# Altium PCB REB215_XPRO_Extension.PcbDoc (part 2 of 5)
Units mil, origin at the board's own origin, x right, y up, seen from the top; angles counter-clockwise.
Board outline 4055.74 x 2606 mil, 6 copper layers (Top Layer LF-signals, Signal Layer 1, Internal Plane 1, Mid-1, Mid-2, Bottom Layer LF-signals), stack 58.434 mil thick; 278 components, 292 nets, 1282 pads, 1177 vias.
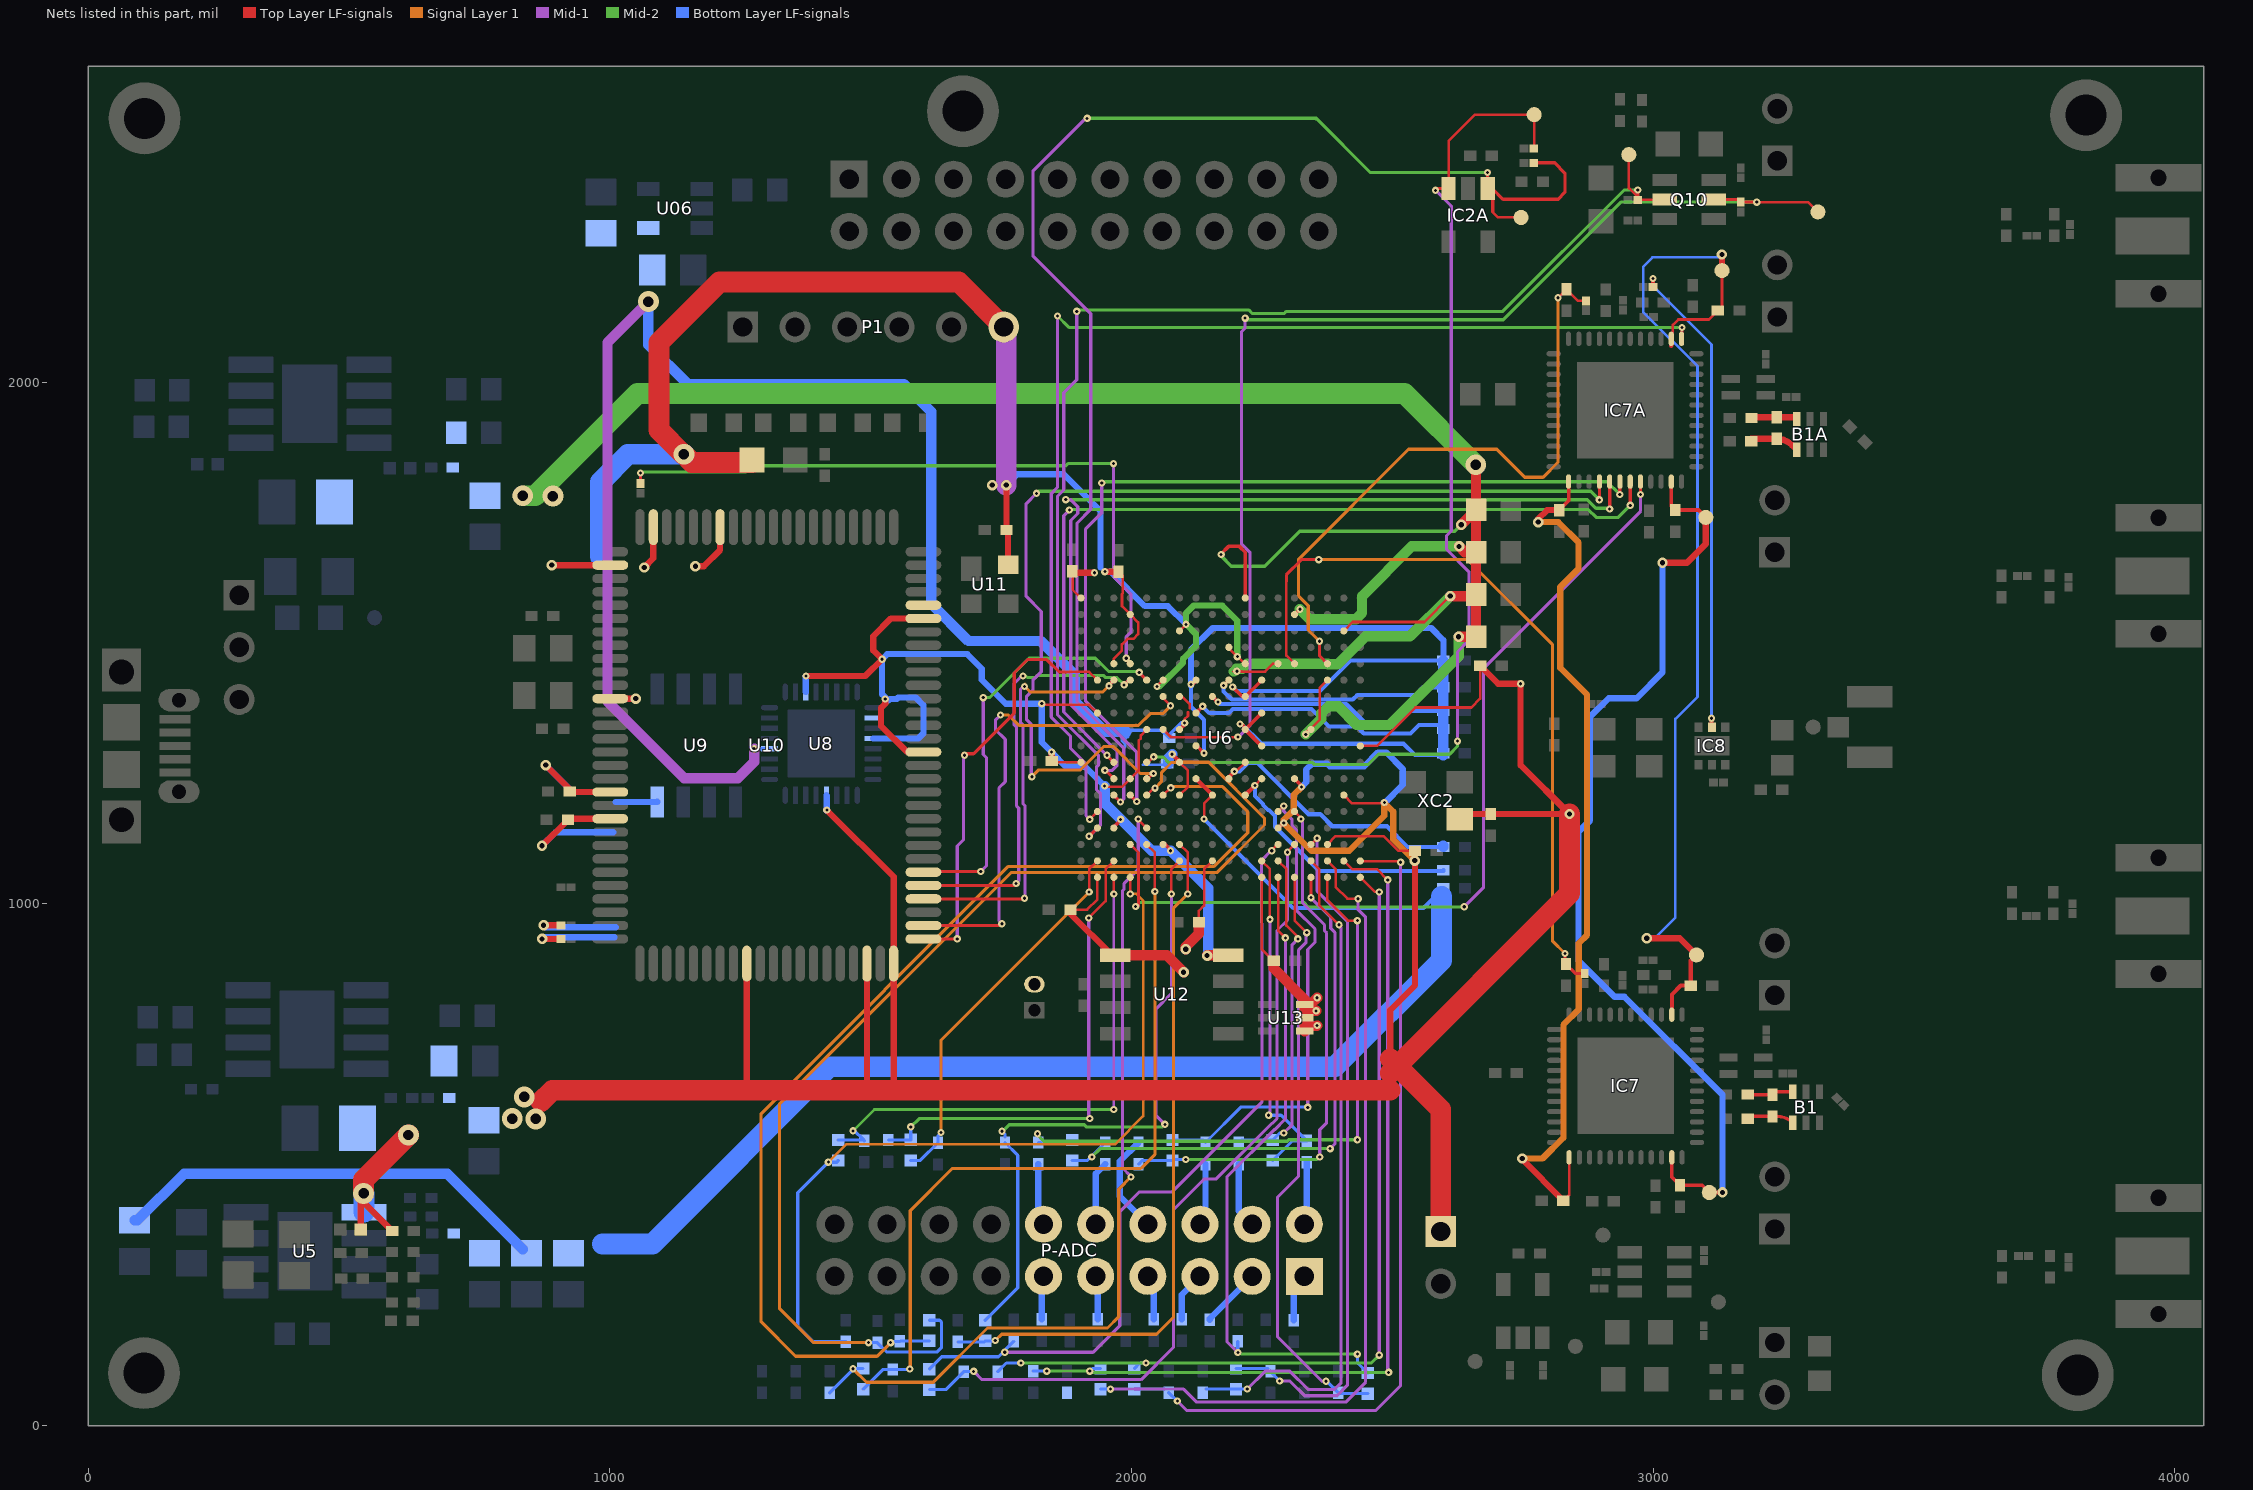
[diagram p6: the nets of this part, all layers, seen from the top]

## Via types
v1: diameter 20, hole 10, Top Layer LF-signals to Bottom Layer LF-signals, 660 vias
v2: diameter 14, hole 6, Top Layer LF-signals to Bottom Layer LF-signals, 470 vias
v3: diameter 40, hole 20, Top Layer LF-signals to Bottom Layer LF-signals, 46 vias
v4: diameter 12, hole 6, Top Layer LF-signals to Bottom Layer LF-signals, 1 vias

## Nets (pads, with @x,y where several pads share a name; then routed paths per layer and width w, separated by ;. In a path a pad name is that pad's centre, name@x,y a point inside that pad or via, vN(x,y) a via of type N, cw(c..) or ccw(c..) an arc to the next point about the centre after c; other vN are vias at no path point)
1V0: C43.1 C44.1 C45.1 C55.1 C56.1 C57.1 C58.1 C59.1 C60.1 C61.1 C62.1 L7.2 R24.1 U6.F8 U6.F10 U6.G7 U6.G9 U6.G11 U6.H8 U6.J7 U6.J11 U6.K8 U6.L7 U6.L11 U6.M8 U6.M10 U6.N7 U6.N9 U6.N11 | length 7937
  Top Layer LF-signals w5: v2@2114,1418 v2@2114,1419.33 ; U6.J11@2123.67,1303.02 2124.98,1303.02 U6.J11@2127.23,1303.02 ; v2(2139,1163) 2139.42,1163.42 2139.42,1192.79 U6.F10@2155.17,1208.54 ; v2(2139,1289) v2@2139,1291.26 ; U6.M10@2155.17,1395.33 U6.M10@2155.17,1397.51 ; v2(2176.66,1419) U6.N9@2186.67,1429.01 ; v2(2197.23,1254.1) 2200.73,1254.1 U6.H8@2218.16,1271.53 ; U6.K8@2213.97,1334.52 U6.K8@2218.16,1334.52 ; v2(2236.63,1227) U6.G7@2249.66,1240.03
  Top Layer LF-signals w7: v2@2114,1418 2123.67,1427.67 U6.N11@2123.67,1429.01 ; U6.L11@2123.67,1366.02 v2(2136.49,1378.83) ; U6.J11@2124.98,1303.02 v2(2139,1289) ; U6.M10@2155.17,1397.51 2166,1386.68 v2(2166,1387) ; v2(2194,1416) 2212.49,1397.51 U6.M8@2218.16,1397.51 U6.N7@2249.66,1429.01 ; v2(2208,1345) 2211,1345 2218.16,1337.84 U6.K8@2218.16,1334.52 U6.L7@2249.66,1366.02
  Top Layer LF-signals w8: U6.G11@2123.67,1240.03 U6.F10@2155.17,1208.54 ; U6.G9@2186.67,1240.03 2186.67,1243.53 v2(2197.23,1254.1) ; U6.F8@2218.16,1208.54 v2(2236.63,1227) ; U6.K8@2218.16,1334.52 U6.J7@2249.66,1303.02
  Bottom Layer LF-signals w8: v2@2114,1418 2114,1378 2139,1353 v2(2139,1289) ; v2(2136.49,1378.83) 2148.99,1366.33 2186.67,1366.33 2194.34,1374 2345,1374 2379,1340 2432,1340 2445.38,1326.62 2534.9,1326.62 2551.19,1342.91 2590.34,1342.91 C59.1@2598,1335.24 ; v2(2139,1163) 2310,992 2560,992 C57.1@2598,1030 ; v2(2166,1387) 2166,1386.68 2169.51,1383.17 2411.83,1383.17 2452.09,1342.91 2503.91,1342.91 2530.87,1369.87 C58.1@2598,1369.87 ; v2(2176.66,1419) 2176.66,1407.52 2192.18,1392 2424.25,1392 2432.99,1400.74 2544.74,1400.74 2559.42,1415.42 C55.1@2598,1415.42 ; v2(2194,1416) 2202,1408 2361.59,1408 2420.19,1466.6 C56.1@2598,1466.6 ; v2(2197.23,1254.1) 2207.19,1254.1 2223,1269.91 2241.51,1269.91 2339.51,1171.91 2362,1171.91 2384.91,1149 2489.65,1149 2529.49,1109.15 C62.1@2598,1109.15 ; v2(2208,1345) 2211,1345 2249,1307 2521.81,1307 2543.4,1285.41 C61.1@2598,1285.41 ; v2(2236.63,1227) 2236.63,1206.78 2252.09,1191.31 2252.09,1190 2262,1180.1 2263.31,1180.1 2275.09,1168.31 2275.09,1148 2360,1063.1 2598,1063.1 C60.1@2598,1064.74
  Bottom Layer LF-signals w12: v2@2114,1418 v2(2114,1421) 2114,1487.33 2155.67,1529 2574.51,1529 2598,1505.51 C56.1@2598,1466.6
  Bottom Layer LF-signals w20: L7.2@89,393.37 94.34,393.37 183.97,483 688.37,483 C45.1@833.37,338 ; C62.1@2598,1109.15 C62.1@2598,1111.96 ; C61.1@2598,1285.41 C59.1@2598,1335.24 C58.1@2598,1369.87 C55.1@2598,1415.42 C56.1@2598,1466.6
  Bottom Layer LF-signals w40: 986,348 1081.57,348 1421.57,688 2390.51,688 2594,891.49 2594,1014
1V8: C48.1 C53.1 C54.1 L8.2 U06.4 U6.F12 U6.H12 U6.K12 U6.M12 U8.20 | length 3180.8
  Top Layer LF-signals w5: U6.F12@2092.18,1208.54 2107.93,1224.28 2107.93,1255.78 U6.H12@2092.18,1271.53 ; U6.M12@2092.18,1397.51 2097.28,1397.51 2111.41,1383.38 2111.41,1375.38 ; v2(2102,1347) 2102,1354.21 2108.38,1360.59 2108.38,1367.59
  Top Layer LF-signals w8: v2(2078,1287) 2092.18,1272.82 U6.H12@2092.18,1271.53 ; U6.K12@2092.18,1334.52 2102,1344.34 v2(2102,1347)
  Mid-1 w20: v3(1074,2154.53) 995.51,2076.04 995.51,1388.22 1142.57,1241.16 1245.34,1241.16 1276.67,1272.49 v2(1276.67,1297.46)
  Bottom Layer LF-signals w5: 1981.71,1319 1981.71,1312.49 1987.87,1306.33 ; 2022.2,1266.6 2068.66,1266.6 C53.1@2068.66,1269
  Bottom Layer LF-signals w6: v2(1276.67,1297.46) U8.20@1306.35,1297.46 ; 1987.87,1300.92 1987.87,1317.3 1992.99,1322.42 ; 1992.99,1319.93 1992.99,1322.42 ; 1996.05,1325.48 1992.99,1322.42 ; C53.1@2068.66,1266.1 C53.1@2068.66,1266.6 ; C54.1@2072.23,1318 2057.32,1332.91 1992.99,1332.91 1992.99,1322.42
  Bottom Layer LF-signals w7: C54.1@2072.46,1324.16 2095.3,1347 v2(2102,1347)
  Bottom Layer LF-signals w20: v3(1074,2154.53) 1074,2071.79 1149.08,1996.71 1563.07,1996.71 1616.09,1943.7 1616.09,1575.52 1687.58,1504.03 1826.41,1504.03 1890.92,1439.52 1890.92,1388.8 1949.45,1330.27 1989.78,1330.27 ; C53.1@2070.66,1269 2070.66,1279.66 v2(2078,1287)
2V5: C34.1 C35.1 C79.1 C80.1 C81.1 C82.1 L5.2 R18.2 U6.K4 U6.N3 U6.P6 U6.T2 U6.U5 U6.V8 | length 4925.4
  Top Layer LF-signals w5: v2@2195.67,1445.52 2211.51,1445.52 2211.83,1445.21 2255.99,1445.21 2271.29,1460.5 U6.P6@2281.15,1460.5 ; U6.K4@2342.01,1334.52 2361.25,1353.76 2361.25,1414.62 U6.N3@2375.64,1429.01 ; U6.T2@2407.14,1523.5 2424.14,1540.5 2561.45,1540.5 v1(2611,1590.05) ; v1@2629.03,1729.97 v1(2632,1727) 2632,1727.1 C79.1@2660.54,1755.63
  Top Layer LF-signals w7: v2(2172,1670) 2172,1671.2 2186.21,1685.41 2207.01,1685.41 2218.16,1674.25 U6.V8@2218.16,1586.49 ; U6.U5@2312.65,1554.99 2322.66,1565 v2(2323,1565) ; v2@2333,1325 v2(2334,1325) 2334,1326.51 2342.01,1334.52 U6.K4@2344.15,1334.52
  Top Layer LF-signals w20: v1(2611,1590.05) 2657.37,1590.05 C82.1@2660.54,1593.21 ; v1(2627,1512) C80.1@2660.54,1512 ; v1(2628,1685.45) 2639.03,1674.42 C81.1@2660.54,1674.42 ; v1(2632,1727) C79.1@2660.54,1755.54 ; C80.1@2658.54,1510 C80.1@2660.54,1512 ; v3(2660,1842) 2660,1846.93 2660.54,1847.47 C79.1@2660.54,1755.63 C79.1@2660.54,1755.54 ; C80.1@2660.54,1512 C82.1@2660.54,1593.21 ; C82.1@2660.54,1593.21 C81.1@2660.54,1674.42 ; C81.1@2660.54,1674.42 C79.1@2660.54,1755.54
  Mid-2 w7: v2(2172,1670) 2172,1666.8 2191.32,1647.48 2255.48,1647.48 2322.66,1714.66 2619.66,1714.66 v1(2632,1727) ; 2492,1340 2495,1343
  Mid-2 w20: v2@2195.67,1445.52 2201.24,1451.1 2212.49,1451.1 2221.9,1460.5 2376.03,1460.5 2377.39,1459.14 2395.62,1459.14 2449.48,1513 2533.95,1513 v1(2611,1590.05) ; v2(2323,1565) 2342,1546 2429.64,1546 2442,1558.36 2442,1577.23 2441.88,1577.35 2441.88,1589.77 2442,1589.89 2442,1590 2537.45,1685.45 v1(2628,1685.45) ; v2(2334,1325) 2334.11,1325 2364.16,1355.05 2364.16,1365.27 2377.89,1379 2396.11,1379 2432.11,1343 2495,1343 2627,1475 v1(2627,1512)
  Mid-2 w40: v3(833,1782.37) 856.37,1782.37 1052.85,1978.85 2523.15,1978.85 v3(2660,1842)
  other v2: 2202,1446
  other v3: 891,1781.78
3V3: C29.1 C30.1 C65.1 C66.1 C67.1 C68.1 C69.1 C70.1 C71.1 C72.1 C73.1 C74.1 C75.1 C76.1 D2A1.1 JP.1 L4.2 P1.6 P4.2 R001.2 R002.2 R015.2 R26.1 R27.1 U5.5 U6.A7 U6.A17 U6.B10 U6.C3 U6.C13 U6.D6 U6.D16 U6.F2 U6.G5 U6.G15 U6.H18 U6.J1 U6.K14 U6.L17 U6.N13 U6.P8 U6.P16 U6.R9 U6.T12 U6.U15 U6.V18 U8.4 U8.12 U8.27 U9.8 U10.2 U10.12 U10.19 U10.21 U10.39 U10.48 U10.50 U10.65 U10.75 U10.94 U10.99 U11.4 U12.1 U12.8 U13.4 U13.5 U13.6 XC2.4 | length 14448.6
  Top Layer LF-signals w5: v2@1826,1379.83 1827.93,1381.76 1918.95,1381.76 U6.L17@1934.7,1366.02 ; v2@1847,1291.58 v2(1847,1291) 1847.34,1290.66 1847.42,1290.58 1847.42,1274.08 C73.1@1847.34,1274 ; C73.1@1849.81,1271.53 U6.H18@1903.2,1271.53 ; C72.1@1883,989 1915,989 1934.7,1008.7 U6.A17@1934.7,1051.06 ; C74.1@1887.45,1636.94 1887.45,1602.24 U6.V18@1903.2,1586.49 ; v2(1948.59,1225.93) 1949.78,1224.74 1982.39,1224.74 U6.G15@1997.69,1240.03 2013.89,1256.23 2013.89,1312.89 2018,1317 2018,1323.33 U6.K14@2029.19,1334.52 ; U6.P16@1966.19,1460.5 1966.19,1470.37 1981.49,1485.66 1981.49,1497.43 1992.26,1508.2 2004.03,1508.2 2012.98,1517.16 2012.98,1539.7 U6.U15@1997.69,1554.99 1981.94,1570.74 1981.94,1594.16 1983.41,1595.62 1983.41,1628.26 C75.1@1975,1636.66 ; v2(2049,1417) 2049,1417.33 U6.N13@2060.68,1429.01 ; U6.T12@2092.18,1523.5 v2(2104.68,1536) ; C71.1@2129.34,965 2129.34,986.93 2139.42,997.01 2139.42,1066.8 U6.B10@2155.17,1082.55 ; v1(2145,901) v1@2145.45,901.45 ; U6.R9@2186.67,1492 2186.67,1490.08 2216.24,1460.5 U6.P8@2218.16,1460.5 ; U6.A7@2249.66,1051.06 2249.66,914 C68.1@2272.66,891 ; U6.C3@2375.64,1114.05 2391.39,1129.8 2483.56,1129.8 2511.26,1102.09 C76.1@2543.66,1102.09 ; U6.F2@2407.14,1208.54 2422.89,1192.79 2483.18,1192.79 v2(2484.72,1194.33) v2@2485,1194.61 ; U6.J1@2438.63,1303.02 2470.52,1303.02 2544.1,1376.6 2651.62,1376.6 2668.5,1393.47 C66.1@2668.5,1456.5
  Top Layer LF-signals w7: U6.D16@1966.19,1145.54 1966.19,1147.69 1979.22,1160.72 v2(1979.22,1162.07) ; U6.C13@2060.68,1114.05 2064.95,1114.05 2075,1104 v2(2075,1102) v2@2075.43,1102 ; U6.D6@2281.15,1145.54 2290.61,1155 v2(2292,1155) ; U6.G5@2312.65,1240.03 2326,1226.68 v2(2326,1224)
  Top Layer LF-signals w12: R26.1@522.69,376 v3@522.69,439.69 ; v3(528,445) 528,427.66 R27.1@582.66,373 ; v1(870,1111.63) C69.1@920,1161.63 ; v1(870.06,933) R002.2@906.65,933 ; v1(873,959) R001.2@906.65,959 ; v1(877,1266.1) 923,1220.1 C67.1@923,1215.4 ; v1@887.91,1648.5 v1(888.88,1649.47) U10.2@1000.8,1649.47 ; C69.1@921.62,1163.25 U10.21@1000.8,1163.25 ; C67.1@923.97,1214.43 U10.19@1000.8,1214.43 ; U10.12@1000.8,1393.57 v1(1049.57,1393.57) ; v1(1066,1645) 1083.48,1662.48 U10.99@1083.48,1722.31 ; v1(1164,1647.48) 1180.48,1647.48 1211.43,1678.43 U10.94@1211.43,1722.31 ; 1262.61,642.91 U10.39@1262.61,885.69 ; v2(1376,1437) 1490,1437 v2(1522,1469) 1505,1486 1505,1513.28 1538.83,1547.11 U10.75@1601.2,1547.11 ; v2(1416,1180) 1544.11,1051.89 U10.50@1544.11,885.69 1544.11,644.8 ; 1492.93,648.98 U10.48@1492.93,885.69 ; v2(1528,1393) 1528,1384 1520,1376 1520,1341 1569.8,1291.21 U10.65@1601.2,1291.21 ; v1@1757.44,1800.44 v1(1760,1803) 1760.34,1802.66 C65.1@1760.34,1716.79 ; U11.4@1763.43,1650.4 C65.1@1763.43,1713.7 ; C73.1@1847.34,1274 v2@1847.34,1290.66 ; C72.1@1883,989 1883,981.26 1962.81,901.45 U12.1@1968.83,901.45 ; C74.1@1886.73,1637.66 1884.07,1635 v2(1929,1635) ; v2@1949.09,1637.1 v2(1949,1637) 1949.34,1636.66 C75.1@1975,1636.66 ; 2496.09,676.1 2496.09,796.45 2543.66,844.02 C76.1@2543.66,1102.09 ; XC2.4@2639.05,1172.34 C70.1@2689,1172.34 v1(2839.66,1172.34) ; C66.1@2668.5,1456.5 2702.82,1422.18 v2(2746,1422.18) 2746,1266 v1(2839.66,1172.34) ; v1@2841,1171 v1(2839.66,1172.34)
  Top Layer LF-signals w20: U12.1@1968.83,901.45 2067.55,901.45 v1(2100,869) ; v1(2104,913) 2104,917.74 2129.34,943.08 C71.1@2129.34,965 ; v1@2145.45,901.45 U12.8@2185.36,901.45 ; C68.1@2272.66,891 2272.66,876.34 2332.36,816.64 U13.6@2332.36,807.36 ; U13.4@2332.36,756.18 2332.36,766 ; v2(2354,795) 2332.36,795 ; v2(2356,767) 2355,766 2332.36,766 ; v2(2356,820.2) 2343.16,807.36 U13.6@2332.36,807.36 ; 2332.36,766 U13.5@2332.36,781.77 2332.36,795 ; 2332.36,795 U13.6@2332.36,807.36
  Top Layer LF-signals w40: v3(528,445) 528,471 v3(614,557) ; 868,621 889.91,642.91 1262.61,642.91 2496.09,642.91 ; D2A1.1@1272.66,1851 1272.66,1846.51 1157.49,1846.51 v3(1142,1862) 1140.47,1862 1094,1908.47 1094,2076 1210,2192 1669,2192 P1.6@1755,2106 ; 2496.09,676.1 2839.66,1019.66 v1(2839.66,1172.34) ; 2496.09,703.1 2593,606.19 JP.1@2593,372
  Mid-1 w40: v1(1760,1803) P1.6@1760,2101
  Mid-2 w6: v2(2049,1417) v2@2053.74,1417
  Mid-2 w12: v2@2053.74,1417 2098.91,1462.17 2098.91,1470.22 2123.67,1494.99 2123.67,1517.01 v2(2104.68,1536) 2104.68,1557.78 2118.91,1572 2174,1572 2203,1543 v2(2203,1474)
  Signal Layer 1 w12: v2(2326,1224) 2310.91,1208.91 2310.91,1180.06 2292,1161.15 v2(2292,1155) 2345,1102 2417.54,1102 2484.72,1169.19 v2(2484.72,1194.33) 2502,1177.06 2502,1124 v1(2543,1083)
  Bottom Layer LF-signals w12: v3(528,445) 528,409.84 U5.5@528.66,409.18 ; v1(870,1111.63) 896.03,1137.66 1006.34,1137.66 ; v1(870.06,933) 872.97,935.91 1008.91,935.91 ; v1(873,959) 876.79,955.21 1011.21,955.21 ; v1(877,1266.1) 928.67,1214.43 1000.8,1214.43 ; 1011.54,1195.47 U9.8@1091,1195.47 U9.8@1091,1196 ; U8.27@1375.8,1406.31 1375.8,1436.8 v2(1376,1437) ; U8.12@1415.2,1208.31 1416,1207.51 v2(1416,1180) v2@1416,1178.4 ; U8.4@1504.35,1317.16 1591.65,1317.16 1601.2,1326.7 1601.2,1380.71 1586,1395.91 1553.17,1395.91 1550.26,1393 1537,1393 1534,1390 1522,1402 v2(1522,1469) 1532,1479 1685,1479 1713,1451 1713,1430 1759,1384 v2(1828,1384) 1828,1310 v2(1847,1291) 1847,1290.26 1874.26,1263 1911.52,1263 v2(1948.59,1225.93) ; v1(1760,1803) 1780.91,1823.91 1870.14,1823.91 1940.55,1753.5 1940.55,1645 ; 1958,1636.66 1960.08,1636.66 2025.74,1571 2069.68,1571 v2(2104.68,1536) ; v2(2326,1224) 2335.21,1233.21 2335.21,1257.83 2346.28,1268.91 2375.36,1268.91 2380.17,1264.1 2446.3,1264.1 2472.64,1290.43 2488.3,1290.43 2520,1258.74 2520,1228.3 2486.04,1194.33 v2(2484.72,1194.33)
  Bottom Layer LF-signals w20: v2(1948.59,1225.93) 1948.59,1192.69 v2(1979.22,1162.07) 2039.28,1102 v2(2075,1102) 2147,1030 v1@2147,903
  Bottom Layer LF-signals w40: U5.5@528.66,409.18 v3@528.66,444.34 ; 982,1666 982,1809 1035,1862 v3(1142,1862)
  other v1: 1733.09,1803
  other v3: 858,588 813,588.51 836,630
A-ID_SCL: IC2A.1 R102A.1 TP10A.1 U6.F16 | length 2691.2
  Top Layer LF-signals w5: IC2A.1@2682.66,2371.52 IC2A.1@2691.48,2371.52 ; v2(2682.66,2402) v2@2685.41,2404.75 ; 2692.57,2326.43 2703,2316 TP10A.1@2747,2316
  Top Layer LF-signals w6.15: U6.F16@1966.19,1208.54 1979.26,1195.47 v2(1979.04,1195.47) ; v2(2682.66,2402) IC2A.1@2682.66,2371.52 2682.66,2360.9 2692.57,2351 2692.57,2326.43 ; IC2A.1@2691.48,2371.52 2712,2351 2818,2351 2831,2364 2831,2401 2811.3,2420.7 R102A.1@2771.18,2420.7
  Mid-1 w6.15: v2(1915,2506) 1912.73,2506 1811.16,2404.43 1811.16,2242.44 1922,2131.6 1922,1756.35 1895.66,1730.01 1895.66,1388.01 1985.33,1298.33 1985.33,1201.76 v2(1979.04,1195.47)
  Mid-2 w6.15: v2(1915,2506) 2352.21,2506 2353.21,2505 2354.21,2506 2458.21,2402 v2(2682.66,2402)
A-ID_SDA: IC2A.3 R101A.1 TP11A.1 U6.H14 | length 2091.3
  Top Layer LF-signals w5: U6.H14@2029.19,1271.53 2032.12,1271.53 v2(2042.59,1282) ; IC2A.3@2607.86,2371.52 2608,2371.66 2608,2462.41 2658.59,2513 TP11A.1@2772,2513 R101A.1@2772,2449.19
  Top Layer LF-signals w6: v2@2586.52,2371.52 IC2A.3@2607.86,2371.52
  Mid-1 w6: v2(2583,2368) 2613.09,2337.91 2613.09,1714.9 2604,1705.81 2604,1680 2646.91,1637.1 2646.91,1505.17 2625,1483.26 v2(2625,1312)
  Mid-2 w6: v2(2042.59,1282) 2060.51,1282 2071.6,1270.91 2347.35,1270.91 2351.16,1267.1 2453.55,1267.1 2473.88,1287.43 2487.06,1287.43 2487.49,1287 2610,1287 2625,1302 v2(2625,1312)
A-IRQ: IC7A.40 U6.G14 | length 1998.3
  Top Layer LF-signals w5: U6.G14@2029.19,1240.03 2032.03,1240.03 v2(2042,1250)
  Top Layer LF-signals w6.14: v2(2897.03,1774.67) IC7A.40@2897.03,1809.66
  Mid-1 w6.14: v2(1809,1243.69) 1807,1245.69 1808.02,1246.72 1808.02,1344.24 1799.02,1353.25 1799.02,1397.95 1811.09,1410.03 ; 1811.02,1410.03 1811.02,1428.79 1827,1444.77 1827,1560.59 1798.02,1589.57 1798.02,1767.02 v2(1818,1787)
  Mid-2 w6.15: v2(1818,1787) 1821.98,1790.98 2880.72,1790.98 v2(2897.03,1774.67)
  Signal Layer 1 w6: 1902.38,1256.98 1947.41,1302 1965,1302 2017,1250 2022,1250
  Signal Layer 1 w6.14: v2(1809,1243.69) 1822.28,1256.98 1902.38,1256.98 ; 2022,1250 v2(2042,1250)
A-LED_POWER: Q10.5 R5A.1 TP12A.1 U6.K13 | length 2256.8
  Top Layer LF-signals w5: 2077,1320 2077.78,1319.22 2203.22,1319.22 v2(2204,1320) ; R5A.1@3162.96,2350.37 R5A.1@3168,2345.32 ; v2(3198.6,2345.32) 3297.1,2345.32 TP12A.1@3315.8,2326.62
  Top Layer LF-signals w6: U6.K13@2060.68,1334.52 2075.2,1320 2077,1320 ; Q10.5@3116.56,2350.37 R5A.1@3162.96,2350.37 ; R5A.1@3168,2345.32 v2(3198.6,2345.32)
  Mid-1 w6: v2@2204.75,1319.25 2226.91,1341.41 2226.91,1674.43 2210.81,1690.52 2210.81,2096.81 2218,2104 v2(2218,2123)
  Mid-2 w6: v2(2218,2123) 2221,2120 2712.86,2120 2938.18,2345.32 v2(3198.6,2345.32)
A-LED_TXRX: Q10.2 R1A.1 TP13A.1 U6.D17 | length 2427.8
  Top Layer LF-signals w5: TP13A.1@2953.37,2436.33 2953.37,2372.17 2970.6,2354.95 R1A.1@2970.6,2349.72 3021.42,2349.72 Q10.2@3022.07,2350.37
  Top Layer LF-signals w6: v2(1918.95,1129.8) U6.D17@1934.7,1145.54 ; R1A.1@2970.6,2354.95 v2(2970.6,2368.6)
  Mid-1 w6: v2(1895,2136) 1895,2004.79 1870.13,1979.93 1870.13,1793.63 1858.09,1781.59 1858.09,1749.04 1858.02,1748.96 1858.02,1363.04 1937.09,1283.96 1937.09,1266.59 1932.68,1262.18 1932.68,1219.34 1941,1211.02 1941,1151.85 v2(1918.95,1129.8)
  Mid-2 w6: v2(1895,2136) 1897.91,2138.91 2224.59,2138.91 2231.59,2131.91 2292.91,2131.91 2297,2136 2712.02,2136 2944.62,2368.6 v2(2970.6,2368.6)
A-MISO: IC7A.44 U6.C15 | length 1723.3
  Top Layer LF-signals w5: U6.C15@1997.69,1114.05 2013.44,1098.3 v2@2013.44,997.72
  Top Layer LF-signals w6: v2(2008,995) 2010.72,995 v2@2013.44,997.72
  Top Layer LF-signals w6.15: IC7A.44@2975.77,1809.66 2976,1809.43 v2(2976,1785) v2@2976.84,1785.84
  Mid-1 w6: v2(2638,994.65) 2675,1031.65 2675,1452 2976,1753 v2(2976,1785)
  Mid-2 w6: v2(2008,995) 2016,1003 2330.51,1003 2339.41,994.1 2638,994.1 v2(2638,994.65)
A-MOSI: IC7A.43 U6.H16 | length 1664.3
  Top Layer LF-signals w6.15: v2(1953,1285) 1953,1284.72 U6.H16@1966.19,1271.53 ; v2(2956.09,1764.09) IC7A.43@2956.09,1809.66
  Mid-1 w6.15: v2(1881,1755) 1870,1744 1870,1368 v2(1953,1285)
  Mid-2 w6.15: v2@1881,1756 2876.05,1756 2891.03,1741.03 2933.03,1741.03 v2(2956.09,1764.09)
A-R\S\T\N\: IC7A.13@3054.51,2083.28 U6.E17 | length 2251
  Top Layer LF-signals w5: v2@1918.95,1161.29 U6.E17@1934.7,1177.04
  Top Layer LF-signals w6: IC7A.13@3054.51,2083.28 v2(3055.51,2105)
  Mid-1 w6: v2(1858.23,2127) 1858.23,1798.56 1846.19,1786.52 1846.19,1753.97 1846.11,1753.89 1846.11,1358.11 1883.28,1320.94 1883.28,1297.99 1912.81,1268.46 1912.81,1169.32 v2(1920.07,1162.07)
  Mid-2 w6: v2(1858.23,2127) 1880.04,2105.19 3055.32,2105.19 v2(3055.51,2105)
A-S\S\_\S\E\L\: IC7A.42 U6.F15 | length 1713.3
  Top Layer LF-signals w6.15: U6.F15@1997.69,1208.54 v2@2010,1196.22 ; v2@2934,1783 v2(2936,1785) 2936,1809.26 IC7A.42@2936.4,1809.66
  Mid-1 w6.15: v2@1943,1808 v2(1943,1807) 1943,1749.98 1912.02,1719 1912.02,1388.69 2010.07,1290.65 v2(2010.07,1196.29)
  Mid-2 w6.15: v2@1943,1809.43 2911.57,1809.43 v2(2936,1785)
A-SCLK: IC7A.41 U6.G16 | length 1714
  Top Layer LF-signals w6.14: v2(2916.72,1757.01) IC7A.41@2916.72,1809.66
  Top Layer LF-signals w6.15: 1955.22,1251 U6.G16@1966.19,1240.03
  Mid-1 w6.15: v2(1874,1775) 1883.6,1775 1896.98,1761.62 1896.98,1748.38 1883.6,1735 1883.6,1381.6 1972,1293.21 1972,1265 1963,1256 v2(1949,1256)
  Mid-2 w6.15: v2(1874,1775) 2874.1,1775 2890.41,1758.69 2911.02,1758.69 2914.71,1755 v2(2916.72,1757.01)
AD1-N: C94.2 R73.2 U6.B12 | length 1244.5
  Top Layer LF-signals w5: v2(2076.43,1019.17) 2076.43,1066.8 U6.B12@2092.18,1082.55
  Mid-1 w6: v2@2064.48,577 v2(2064,577.48) 2046.44,595.04 2046.44,798.28 2076.43,828.27 v2(2076.43,1019.17)
  Mid-2 w6: v2(1752,564.31) 1752,563 1765.6,576.6 1909.41,576.6 1913.41,572.6 2059.12,572.6 v2(2064,577.48)
  Bottom Layer LF-signals w6: C94.2@1719.84,201.81 1782,263.97 1782,518.05 R73.2@1757.44,542.61 ; v2(1752,564.31) 1757.44,558.87 R73.2@1757.44,553.39
AD1-P: C94.1 R72.2 U6.C12 | length 1354.5
  Top Layer LF-signals w5: U6.C12@2092.18,1114.05 2107.93,1098.3 v2(2107.93,1019.17)
  Signal Layer 1 w6: v2(1739,163) 1751,175 2048,175 2080.27,207.27 2080.27,991.51 v2(2107.93,1019.17)
  Bottom Layer LF-signals w6: R72.2@1667.16,160.47 C94.1@1717.87,160.47 ; C94.1@1719.84,162.44 1738.44,162.44 v2(1739,163)
AD2-N: C96.2 R77.2 U6.B17 | length 733.1
  Top Layer LF-signals w5: v2(1918.95,1022.95) 1918.95,1066.8 U6.B17@1934.7,1082.55
  Signal Layer 1 w6: v2(1635,561.81) 1635,739 v2(1918.95,1022.95)
  Bottom Layer LF-signals w6: C96.2@1577,508.32 1595.32,508.32 R77.2@1629,542 1629,555.81 v2(1635,561.81)
AD2-P: C96.1 R76.2 U6.B16 | length 932.1
  Top Layer LF-signals w5: v2(1918,973) 1950.45,1005.45 1950.45,1066.8 U6.B16@1966.19,1082.55
  Mid-1 w6: v2(1918,973) 1918,590.57 v2(1920,588.51)
  Mid-2 w6: v2(1577,572.65) 1592.85,588.51 v2(1920,588.51)
  Bottom Layer LF-signals w6: R76.2@1534,547.34 C96.1@1576.65,547.34 ; C96.1@1577,547.69 v2(1577,572.65)
AD9-N: C95.2 R75.2 U6.F14 | length 2285.3
  Top Layer LF-signals w5: U6.F14@2029.19,1208.54 2029.95,1208.54 2043.41,1222 v2(2045,1222)
  Signal Layer 1 w6: v2(1496,159) 1391,159 1325,225 1325,616 1769,1060 2163.49,1060 2254.91,1151.41 2254.91,1164.59 2147.97,1271.53 2085.02,1271.53 2084.59,1271.1 2076.71,1271.1 2057.91,1252.29 2057.91,1234.91 v2(2045,1222)
  Bottom Layer LF-signals w6: v2(1496,159) R75.2@1513,159 1531.27,140.73 1627.03,140.73 1636.19,149.9 1636.19,197.81 1632.2,201.81 C95.2@1612.51,201.81
AD9-P: C95.1 R74.2 U6.F13 | length 2144.7
  Top Layer LF-signals w5: U6.F13@2060.68,1208.54 2074.71,1222.57 v2(2075.2,1222.57)
  Signal Layer 1 w6: v2(1538.38,159) 1512.38,133 1356,133 1290,199 1290,597.84 1764.07,1071.91 2158.56,1071.91 2222.91,1136.25 2222.91,1176.59 2174.68,1224.81 2077.45,1224.81 v2(2075.2,1222.57)
  Bottom Layer LF-signals w6: v2(1538.38,159) 1540.83,161.45 R74.2@1556,161.45 ; R74.2@1556.99,162.44 C95.1@1612.51,162.44
AD10-N: C97.2 R79.2 U6.A16 | length 1040.3
  Top Layer LF-signals w5: v2(1966.19,1019.17) U6.A16@1966.19,1051.06
  Mid-1 w5: v2@1966.19,606 v2(1966.19,1019.17)
  Mid-2 w5: v2(1466,565) 1507,606 v2(1966,606)
  Bottom Layer LF-signals w6.5: C97.2@1438.1,547.53 R79.2@1486.47,547.53 ; v2(1466,565) 1469,565 R79.2@1486.47,547.53 ; R79.2@1488,546 R79.2@1486.47,547.53
AD10-P: C97.1 R78.2 U6.A15 | length 1579.6
  Top Layer LF-signals w5: v2(1997.69,1019.17) U6.A15@1997.69,1051.06
  Signal Layer 1 w5: v2(1419,505) 1453,539 1968.12,539 2022.5,593.38 2022.5,1006.19 2009.52,1019.17 v2(1997.69,1019.17)
  Bottom Layer LF-signals w6.5: C97.1@1438.1,508.16 1434.94,505 v2(1419,505) 1360,446 1360,190 1389.53,160.47 R78.2@1452.51,160.47
AD12-N: C91.2 R67.2 U6.B6 | length 635.3
  Top Layer LF-signals w5: U6.B6@2281.15,1082.55 2296.9,1066.8 2296.9,958.66 2319,936.56 v2(2319,933)
  Mid-1 w6: v2(2292,561) 2308,577 2308,922 v2(2319,933)
  Bottom Layer LF-signals w6: R67.2@2210.82,547.53 C91.2@2270.95,547.53 2284.62,561.2 2291.8,561.2 v2(2292,561)
AD12-P: C91.1 R66.2 U6.B7 | length 668.5
  Top Layer LF-signals w5: U6.B7@2249.66,1082.55 2265.41,1066.8 v2(2265.41,970.41)
  Mid-1 w6: v2@2265.41,594.59 v2(2265.41,970.41)
  Bottom Layer LF-signals w6: v2(2263,595) 2287,595 R66.2@2336,546 2308.79,546 C91.1@2270.95,508.16
AD13-N: C92.2 R69.2 U6.E5 | length 1046.8
  Top Layer LF-signals w5: U6.E5@2312.65,1177.04 2325.69,1164 2325.69,1163.69 v2(2324.75,1162.75)
  Mid-1 w6: v2(2324.75,1162.75) 2328.09,1159.41 2328.09,1001.91 2370.19,959.81 2370.19,948.48 2374.19,944.48 2374.19,580.19 2361,567 v2(2361,515)
  Mid-2 w6: v2(2104,510) 2356,510 v2(2361,515)
  Bottom Layer LF-signals w6: R69.2@2013.7,501.27 2020.59,508.16 C92.2@2078.75,508.16 2080.59,510 v2(2104,510)
AD13-P: C92.1 R68.2 U6.E6 | length 906.5
  Top Layer LF-signals w5: U6.E6@2281.15,1177.04 v2(2292,1187.89)
  Mid-1 w6: v2(2292,1187.89) 2292,1177.49 2307.91,1161.59 2307.91,1150.29 2316.19,1142 2316.19,987.81 2351.91,952.1 2351.91,926.58 2338,912.67 v2(2338,610)
  Bottom Layer LF-signals w6: C92.1@2078.75,547.53 R68.2@2136.91,547.53 ; R68.2@2141.83,542.61 2210.22,611 v2@2338,611
AD14-N: C93.2 R71.2 U6.A3 | length 1222.4
  Top Layer LF-signals w5: U6.A3@2375.64,1051.06 2375.64,1007.36 2415.11,967.89 v2(2433.08,967.89)
  Mid-1 w6: v2(2433.08,548) v2(2433.08,967.89)
  Mid-2 w6: v2@1819.98,561.98 v2(1819.98,559.49) 1819.98,557 1831.89,545.1 2298.59,545.1 2301.49,548 v2(2433.08,548) ; v2@1820,562 v2@1820.48,561.52
  Bottom Layer LF-signals w6: R71.2@1821.5,542.61 C93.2@1881.63,542.61
AD14-P: C93.1 R70.2 U6.A4 | length 1083.8
  Top Layer LF-signals w5: v2(2344,1012) 2344,1019.02 2344.15,1019.17 U6.A4@2344.15,1051.06
  Mid-1 w6: v2(2344,1012) 2382.09,973.91 2382.09,953.41 2390,945.51 2390,539.91 v2@2381,530.91
  Mid-2 w6: v2(1924,515) 1939.91,530.91 v2(2380.91,530.91)
  Bottom Layer LF-signals w6: C93.1@1886.55,508.16 1915.19,508.16 R70.2@1949.64,542.61
AT_CLK0: C24.1 R12.1 U6.P5 | length 1433.4
  Top Layer LF-signals w5: 2296.9,1618.38 2296.9,1476.25 U6.P5@2312.65,1460.5
  Top Layer LF-signals w6: 2296.9,1618.38 2296.9,1630.9 2326,1660 v2(2358.95,1660) ; v2(2831,905) 2831,886.72 C24.1@2833,884.72 2851.37,866.35 R12.1@2869,866.35
  Signal Layer 1 w6: v2(2358.95,1660) 2644.3,1660 2806.83,1497.47 2806.83,929.17 v2(2831,905)
AT_CLK1: C24A.1 R12A.1 U6.P3 | length 1228.9
  Top Layer LF-signals w5: v2(2817.68,2162) C24A.1@2834,2178.32 2856.15,2156.18 R12A.1@2871.44,2156.18
  Top Layer LF-signals w6: v2@2360.53,1505.47 v2(2360.53,1503.61) 2360.53,1475.61 U6.P3@2375.64,1460.5
  Signal Layer 1 w6: v2(2360.53,1503.61) 2338.91,1525.24 2338.91,1571.59 2320.5,1589.99 2320.5,1661.05 2531.12,1871.67 2700.33,1871.67 2754,1818 2789.23,1818 2817.68,1846.45 v2(2817.68,2162)
AVDD0: C20.1 C20A.1 IC7.14@3035.83,787.82 IC7A.14@3034.83,2083.28 TP2.1 TP2A.1 | length 2027.4
  Top Layer LF-signals w5: IC7A.14@3034.83,2083.28 3037.91,2086.36 3037.91,2109.91 3048.41,2120.41 3106.91,2120.41 C20A.1@3124.15,2137.65 3132,2145.5 TP2A.1@3132,2214
  Top Layer LF-signals w7.99: IC7A.14@3034.83,2070.17 IC7A.14@3034.83,2083.28 ; IC7.14@3035.83,787.82 3036.04,788.04 3036.04,826.47 3052.92,843.34 C20.1@3072,843.34 3072,891.33
  Top Layer LF-signals w12: v1(2988,934.22) 3051.24,934.22 TP2.1@3083.07,902.4 ; TP2A.1@3132,2214 v1(3132,2245)
  Bottom Layer LF-signals w5: v1(2988,934.22) 3003.22,934.22 3042.7,973.7 3042.7,1354.57 3085.03,1396.9 3085.03,2030.97 2981,2135 2981,2221.43 2998.9,2239.33 3126.33,2239.33 v1(3132,2245)
AVDD1: C19.1 C19A.1 IC7.47 IC7A.47 TP1.1 TP1A.1 | length 1849
  Top Layer LF-signals w7: IC7A.47@3034.83,1809.66 3034.83,1762.97 C19A.1@3042.7,1755.1 3086.91,1755.1 TP1A.1@3101,1741 ; IC7.47@3035.83,514.2 3035.83,476.32 C19.1@3051.57,460.57 3094.02,460.57 TP1.1@3107.66,446.94 v1@3132.94,446.94 ; v1@3132.69,446.69 v1@3132.94,446.94 ; v1(3133,447) v1@3132.94,446.94
  Top Layer LF-signals w12: v1(3018,1654) 3065,1654 3101,1690 TP1A.1@3101,1741
  Bottom Layer LF-signals w12: v1(3018,1654) 3018,1444 2968.32,1394.32 2914.76,1394.32 2879,1358.56 2879,1160 2857,1138 2857,891 2926,822 2945.03,822 3133,634.03 v1(3133,447)
B1_N: B1.3 C12.2 L3.1 | length 92.8
  Top Layer LF-signals w6.5: C12.2@3181.18,634.83 3181.18,634 L3.1@3229,634 3229,639.66 B1.3@3267.52,639.66
B1_P: B1.4 C2.2 L3.2 | length 93.8
  Top Layer LF-signals w6.5: C2.2@3181.18,588.37 3181.18,592.66 L3.2@3229,592.66 3238.42,592.66 cw(c3238.42,551.52) B1.4@3267.52,580.61
B1A-N: B1A.3 C12A.2 L3A.1 | length 90.4
  Top Layer LF-signals w12: C12A.2@3188.53,1933 L3A.1@3237,1933 3275.41,1933 B1A.3@3275.41,1929.53
B1A-P: B1A.4 C02A.2 L3A.2 | length 94.1
  Top Layer LF-signals w12: C02A.2@3188.34,1891.66 L3A.2@3237,1891.66 cw(c3237,1850.09) 3266.4,1879.49 B1A.4@3275.41,1870.47
CK-A0: P-ADC.1 R65.2 | length 63.9
  Bottom Layer LF-signals w12: R65.2@2311.1,201.81 P-ADC.1@2311.1,265.69
CK-A1: P-ADC.3 R64.2 | length 116.9
  Bottom Layer LF-signals w12: R64.2@2150.11,202.79 2150.11,204.7 P-ADC.3@2231.41,286
CK-A2: P-ADC.5 R63.2 | length 96.7
  Bottom Layer LF-signals w12: R63.2@2096.45,203.77 2096.45,251.04 P-ADC.5@2131.41,286
CK-A3: P-ADC.7 R62.2 | length 70.8
  Bottom Layer LF-signals w12: R62.2@2042.79,203.77 P-ADC.7@2042.79,274.62
CK-A4: P-ADC.9 R61.2 | length 78.2
  Bottom Layer LF-signals w12: R61.2@1935.47,203.77 P-ADC.9@1935.47,281.95
CK-A5: P-ADC.11 R60.2 | length 79
  Bottom Layer LF-signals w12: R60.2@1828.14,203.77 P-ADC.11@1828.14,282.73
CK-A6: P-ADC.2 R66.1 | length 114.1
  Bottom Layer LF-signals w12: P-ADC.2@2336,390.59 R66.1@2336,504.66
CK-A7: P-ADC.4 R67.1 | length 89.8
  Bottom Layer LF-signals w12: 2205.9,411.51 R67.1@2205.9,501.27
CK-A8: P-ADC.6 R68.1 | length 104.8
  Bottom Layer LF-signals w12: P-ADC.6@2141.83,396.42 R68.1@2141.83,501.27
CK-A9: P-ADC.8 R69.1 | length 193.9
  Bottom Layer LF-signals w12: R69.1@2013.7,542.61 1977.58,506.49 1977.58,439.83 P-ADC.8@2031.41,386
CK-A10: P-ADC.10 R70.1 | length 122.8
  Bottom Layer LF-signals w12: P-ADC.10@1931.41,386 1931.41,483.05 R70.1@1949.64,501.27
CK-A11: P-ADC.12 R71.1 | length 105.4
  Bottom Layer LF-signals w12: P-ADC.12@1821.5,395.91 R71.1@1821.5,501.27
CK-AN0-N: C85.2 R46.1 U6.C5 | length 1587.8
  Top Layer LF-signals w5: v2(2299,1099) 2299,1100.4 U6.C5@2312.65,1114.05
  Mid-1 w6: v2(1697.49,104) 1713.49,88 2018.49,88 2080.27,149.78 2080.27,413.27 2140,473 2162.74,473 2268.84,579.1 2269.59,579.1 2279,588.51 2279,949 2299,969 v2(2299,1099)
  Bottom Layer LF-signals w6: C85.2@1612.64,68.91 1644.16,68.91 R46.1@1678.61,103.36 v2@1696.86,103.36
CK-AN0-P: C85.1 R40.1 U6.C6 | length 1515.1
  Top Layer LF-signals w5: v2(2269,1102) 2269,1103.5 2281.15,1115.65 U6.C6@2281.15,1114.05
  Mid-1 w6: v2(1757,140.45) 1926.62,140.45 1977.52,191.35 1977.52,410.02 2015.5,448 2078,448 2250,620 2250,962.82 2249.5,963.32 2249.5,1084 2267.5,1102 v2(2269,1102)
  Bottom Layer LF-signals w6: C85.1@1612.64,108.28 1636.35,132 1745.03,132 R40.1@1774.48,161.45
CK-AN1-N: C86.2 R47.1 U6.A5 | length 1131.2
  Top Layer LF-signals w5: U6.A5@2312.65,1051.06 2312.65,968.35 v2(2336,945)
  Mid-1 w6: v2(2336,945) 2332.75,941.75 2334.91,939.59 2334.91,926.41 2320.42,911.93 2320.42,478.42 2280,438 2280,170.15 2365.15,85 v2(2373,85)
  Bottom Layer LF-signals w6: v2(2373,85) 2374.45,85 R47.1@2396.43,63.03 ; R47.1@2398.14,61.32 C86.2@2453,61.32
CK-AN1-P: C86.1 R41.1 U6.A6 | length 1273.5
  Top Layer LF-signals w5: U6.A6@2281.15,1051.06 2281.15,948.85 v2(2295,935)
  Mid-1 w6: v2(2204,140.23) 2183,161.23 2183,476.42 2273.77,567.19 2274.52,567.19 2295,587.67 v2(2295,935)
  Mid-2 w6: v2(2204,140.23) 2204,144 2211,137 v2(2433.08,137)
  Bottom Layer LF-signals w6: v2@2203.77,140.45 R41.1@2203.77,161.45 ; v2(2433.08,137) 2433.08,120.61 2435.69,118 ; 2435.81,118 2435.69,118 ; C86.1@2453,100.69 2435.69,118
CK-AN2-N: C87.2 R48.1 U6.B4 | length 1317.3
  Top Layer LF-signals w5: U6.B4@2344.15,1082.55 2359.89,1066.8 2359.89,998.11 v2(2398,960)
  Mid-1 w6: v2(2222,70) 2256.36,104.36 2303.64,104.36 2338.91,69.1 2389.08,69.1 2401.91,81.92 2401.91,956.1 v2(2398,960)
  Bottom Layer LF-signals w6: R48.1@2143.38,69.91 C87.2@2200.49,69.91 2221.91,69.91 v2(2222,70)
CK-AN2-P: C87.1 R42.1 U6.C4 | length 1326.7
  Top Layer LF-signals w5: U6.C4@2344.15,1114.05 v2(2356,1125.9)
  Mid-1 w6: v2(2284,85.54) 2303.65,85.54 2332,57.19 2394.01,57.19 2414,77.18 2414,965 2413.91,965.1 2413.91,966.59 2356,1024.49 v2(2356,1125.9)
  Bottom Layer LF-signals w6: C87.1@2200.49,109.28 R42.1@2261.54,109.28 ; R42.1@2266.46,104.36 2266.46,103.08 v2(2284,85.54)
CK-AN3-N: C88.2 R49.1 U6.A1 | length 1707.5
  Top Layer LF-signals w5: U6.A1@2438.63,1051.06 2466.69,1023 v2(2475,1023)
  Mid-1 w6: v2(2475,135) v2(2475,1023)
  Mid-2 w6: v2@1788,120.27 2027.73,120.27 v2(2028,120) 2460,120 v2(2475,135)
  Bottom Layer LF-signals w6: R49.1@1743.59,103.36 1760.23,120 v2(1788,120) ; C88.2@2005.53,109.28 2016.25,120 v2(2028,120)
CK-AN3-P: C88.1 R43.1 U6.B1 | length 1618.4
  Top Layer LF-signals w5: U6.B1@2438.63,1082.55 2439.59,1081.6 v2@2516,1081.6
  Mid-1 w6: v2(2088,47) 2106,29 2468.21,29 2516,76.8 v2(2516,1080)
  Bottom Layer LF-signals w6: C88.1@2005.53,69.91 R43.1@2064.61,69.91 ; R43.1@2071.5,63.03 2087.53,47 v2(2088,47)
CK-AN4-N: C89.2 R50.1 U6.B2 | length 1748.1
  Top Layer LF-signals w5: U6.B2@2407.14,1082.55 2422.89,1066.8 2470.52,1066.8 v2(2491.23,1046.1)
  Mid-1 w6: v2@2491.23,102.1 v2(2491.23,1046.1)
  Mid-2 w6: v2(1837.64,104.36) v2(1920.07,104.36) 1922.34,102.1 2492.91,102.1 v2(2493,102)
  Bottom Layer LF-signals w6: R50.1@1811.56,104.36 v2(1837.64,104.36) ; v2(1920.07,104.36) 1924.99,109.28 C89.2@1940.55,109.28
CK-AN4-P: C89.1 R44.1 U6.B3 | length 1576.3
  Top Layer LF-signals w5: U6.B3@2375.64,1082.55 2391.39,1066.8 2391.39,1032.61 2414,1010 v2(2434.5,1010)
  Mid-1 w6: v2(1960,69.91) 2100.09,69.91 2125,45 2410.69,45 2448.98,83.29 2448.98,974.47 2434.5,988.96 v2(2434.5,1010)
  Bottom Layer LF-signals w6: C89.1@1940.55,69.91 v2(1960,69.91)
CK-AN5-N: C90.2 R51.1 U6.C14 | length 1527.4
  Top Layer LF-signals w5: U6.C14@2029.19,1114.05 2044.93,1098.3 v2(2044.93,1024) v2@2044.93,1019.17
  Signal Layer 1 w6: v2(1575,108.32) 1576,109.32 1576,412 1657.03,493.03 2018.62,493.03 2044.93,519.35 v2(2044.93,1024)
  Bottom Layer LF-signals w6: C90.2@1485.65,69.91 1523.08,107.34 R51.1@1542.43,107.34 v2@1574.02,107.34
CK-AN5-P: C90.1 R45.1 U6.D14 | length 1665.1
  Top Layer LF-signals w5: v2(2013,1163) 2013,1161.91 2029.19,1145.72 U6.D14@2029.19,1145.54
  Mid-1 w6: v2(1998.94,476.55) 1998.94,477.65 1982.69,493.91 1982.69,1025.38 1986,1028.69 1986,1039.37 2013,1066.37 v2(2013,1163)
  Signal Layer 1 w6: v2(1466,109) 1492,83 1620,83 1724,187 1953.93,187 1975.75,208.82 1975.75,453.36 v2(1998.94,476.55)
  Bottom Layer LF-signals w6: R45.1@1421.65,63.03 v2@1467.91,109.28 ; v2(1466,109) 1466.28,109.28 v2@1467.91,109.28 ; C90.1@1485.65,109.28 v2@1467.91,109.28
CLK1: C25A.1 IC8.2 | length 922.4
  Top Layer LF-signals w8.27: C25A.1@2999.7,2183 v2(2999.7,2198.81) ; v2(3112,1356) 3112,1339.65 IC8.2@3112.63,1339.02
  Bottom Layer LF-signals w5: v2(2999.7,2198.81) 2999.7,2184.3 3112,2072 v2(3112,1356)
CTL0: U6.N16 U10.54 | length 799.6
  Top Layer LF-signals w6: U10.54@1601.2,1009.71 1793.71,1009.71 v2(1795,1011) ; v2@1957.19,1420 U6.N16@1966.19,1429.01
  Mid-1 w6: v2(1795,1011) 1795.81,1011.81 1795.81,1188.52 1791.81,1192.52 1791.81,1343.52 1787.04,1348.29 1787.04,1411.17 v2@1795.93,1420.07
  Signal Layer 1 w6: v2@1796.09,1421.1 1795,1420 v2(1795,1417) 1805.73,1406.27 1945.27,1406.27 v2(1957,1418)
CTL1: U6.N15 U10.55 | length 808.1
  Top Layer LF-signals w6: U10.55@1601.2,1035.3 v2@1775.3,1035.3 ; v2(1986,1420) 1995.01,1429.01 U6.N15@1997.69,1429.01
  Mid-1 w6: v2(1779,1039) 1783.91,1043.91 1783.91,1183.59 1779.91,1187.59 1779.91,1338.59 1775.13,1343.36 1775.13,1422.63 1788.41,1435.91 1789.28,1435.91 1791.91,1438.53 1792,1438.44 v2(1792,1437)
  Mid-2 w6: v2(1792,1437) 1797.53,1437 1800.44,1434.1 1815.59,1434.1 1819.58,1438.08 1946.24,1438.08 1950.41,1433.91 1972.09,1433.91 v2(1986,1420)
CTL2: U6.N14 U10.56 | length 814.6
  Top Layer LF-signals w6: U10.56@1601.2,1060.89 1602.31,1062 v2(1711,1062) ; v2@2016.03,1446.14 2016.03,1442.16 U6.N14@2029.19,1429.01
  Mid-1 w6: v2(1711,1062) 1721.81,1072.81 1721.81,1280.58 1716,1286.39 v2(1716,1395.41)
  Mid-2 w6: v2(1716,1395.41) 1727.92,1395.41 1803.51,1471 1930.83,1471 1956.02,1445.81 2013.19,1445.81 v2(2015,1444)
CTL3: U6.N17 U10.51 | length 816.3
  Top Layer LF-signals w5: 1880,1444.76 1918.95,1444.76 U6.N17@1934.7,1429.01
  Top Layer LF-signals w6: U10.51@1601.2,932.94 v2@1665.94,932.94 ; v2@1677,1288 1697.49,1288 1775.34,1365.85 1775.34,1442.83 1800.82,1468.31 1837.55,1468.31 1861.11,1444.76 1880,1444.76
  Mid-1 w6: v2(1666,933) 1666,1111 1678.09,1123.1 1678.09,1283.1 v2(1680,1285)
CTL4: U6.M13 U10.52 | length 940.4
  Top Layer LF-signals w5: U6.M13@2060.68,1397.51 2060.68,1394.32 v2(2075,1380)
  Top Layer LF-signals w6: U10.52@1601.2,958.53 v2@1748.05,958.53 ; U6.M13@2060.68,1397.51 U6.M13@2061.51,1397.51
  Mid-1 w6: v2(1749,1362) 1739.04,1352.04 1739.04,1334.46 1758,1315.51 1758,1234.49 1746.09,1222.59 1746.09,967.43 v2(1751.52,962)
  Signal Layer 1 w6: v2(1749,1362) 1764.33,1362 1784.12,1342.2 2008.79,1342.2 ; 2009,1342.41 2008.79,1342.2 ; v2(2075,1380) 2059.91,1364.91 2036.2,1364.91 2013.5,1342.2 2008.79,1342.2
CTL5: U10.76
CTLS: U8.2
DVDD: C18.1 C18A.1 IC7.37 IC7A.37 | length 1701.3
  Top Layer LF-signals w5: C18.1@2828,431 2838.98,441.98 IC7.37@2838.98,514.2
  Top Layer LF-signals w7: C18A.1@2820,1755 2837.98,1772.98 IC7A.37@2837.98,1809.66
  Top Layer LF-signals w12: v1(2749,512) 2748.8,511.8 2748.8,510.2 C18.1@2828,431 ; v1(2780,1732) 2780,1738.28 2796.72,1755 C18A.1@2820,1755
  Signal Layer 1 w12: v1(2749,512) 2788,512 2828,552 2828,768 2857.66,797.66 2857.66,924.66 2873.44,940.44 2873.44,1401 2822,1452.44 2822,1607.6 2857,1642.6 2857,1693 2818,1732 v1(2780,1732)
FXCLK: R018.2 U6.P15 | length 1337.1
  Top Layer LF-signals w6: R018.2@1059,1806 v2(1059,1826) ; v2@1988.19,1470 U6.P15@1997.69,1460.5
  Mid-1 w6: v2(1965.45,1844) 1965.45,1627.52 1998.91,1594.06 1998.91,1520.91 1990,1512 v2(1990,1471)
  Mid-2 w6: v2(1059,1826) v2@1059,1828 ; v2@1061,1828 1261.16,1828 1273.16,1840 1874,1840 1878,1844 v2(1965.45,1844)